# Altium PCB NG2092.PcbDoc (part 2 of 5) (continued)
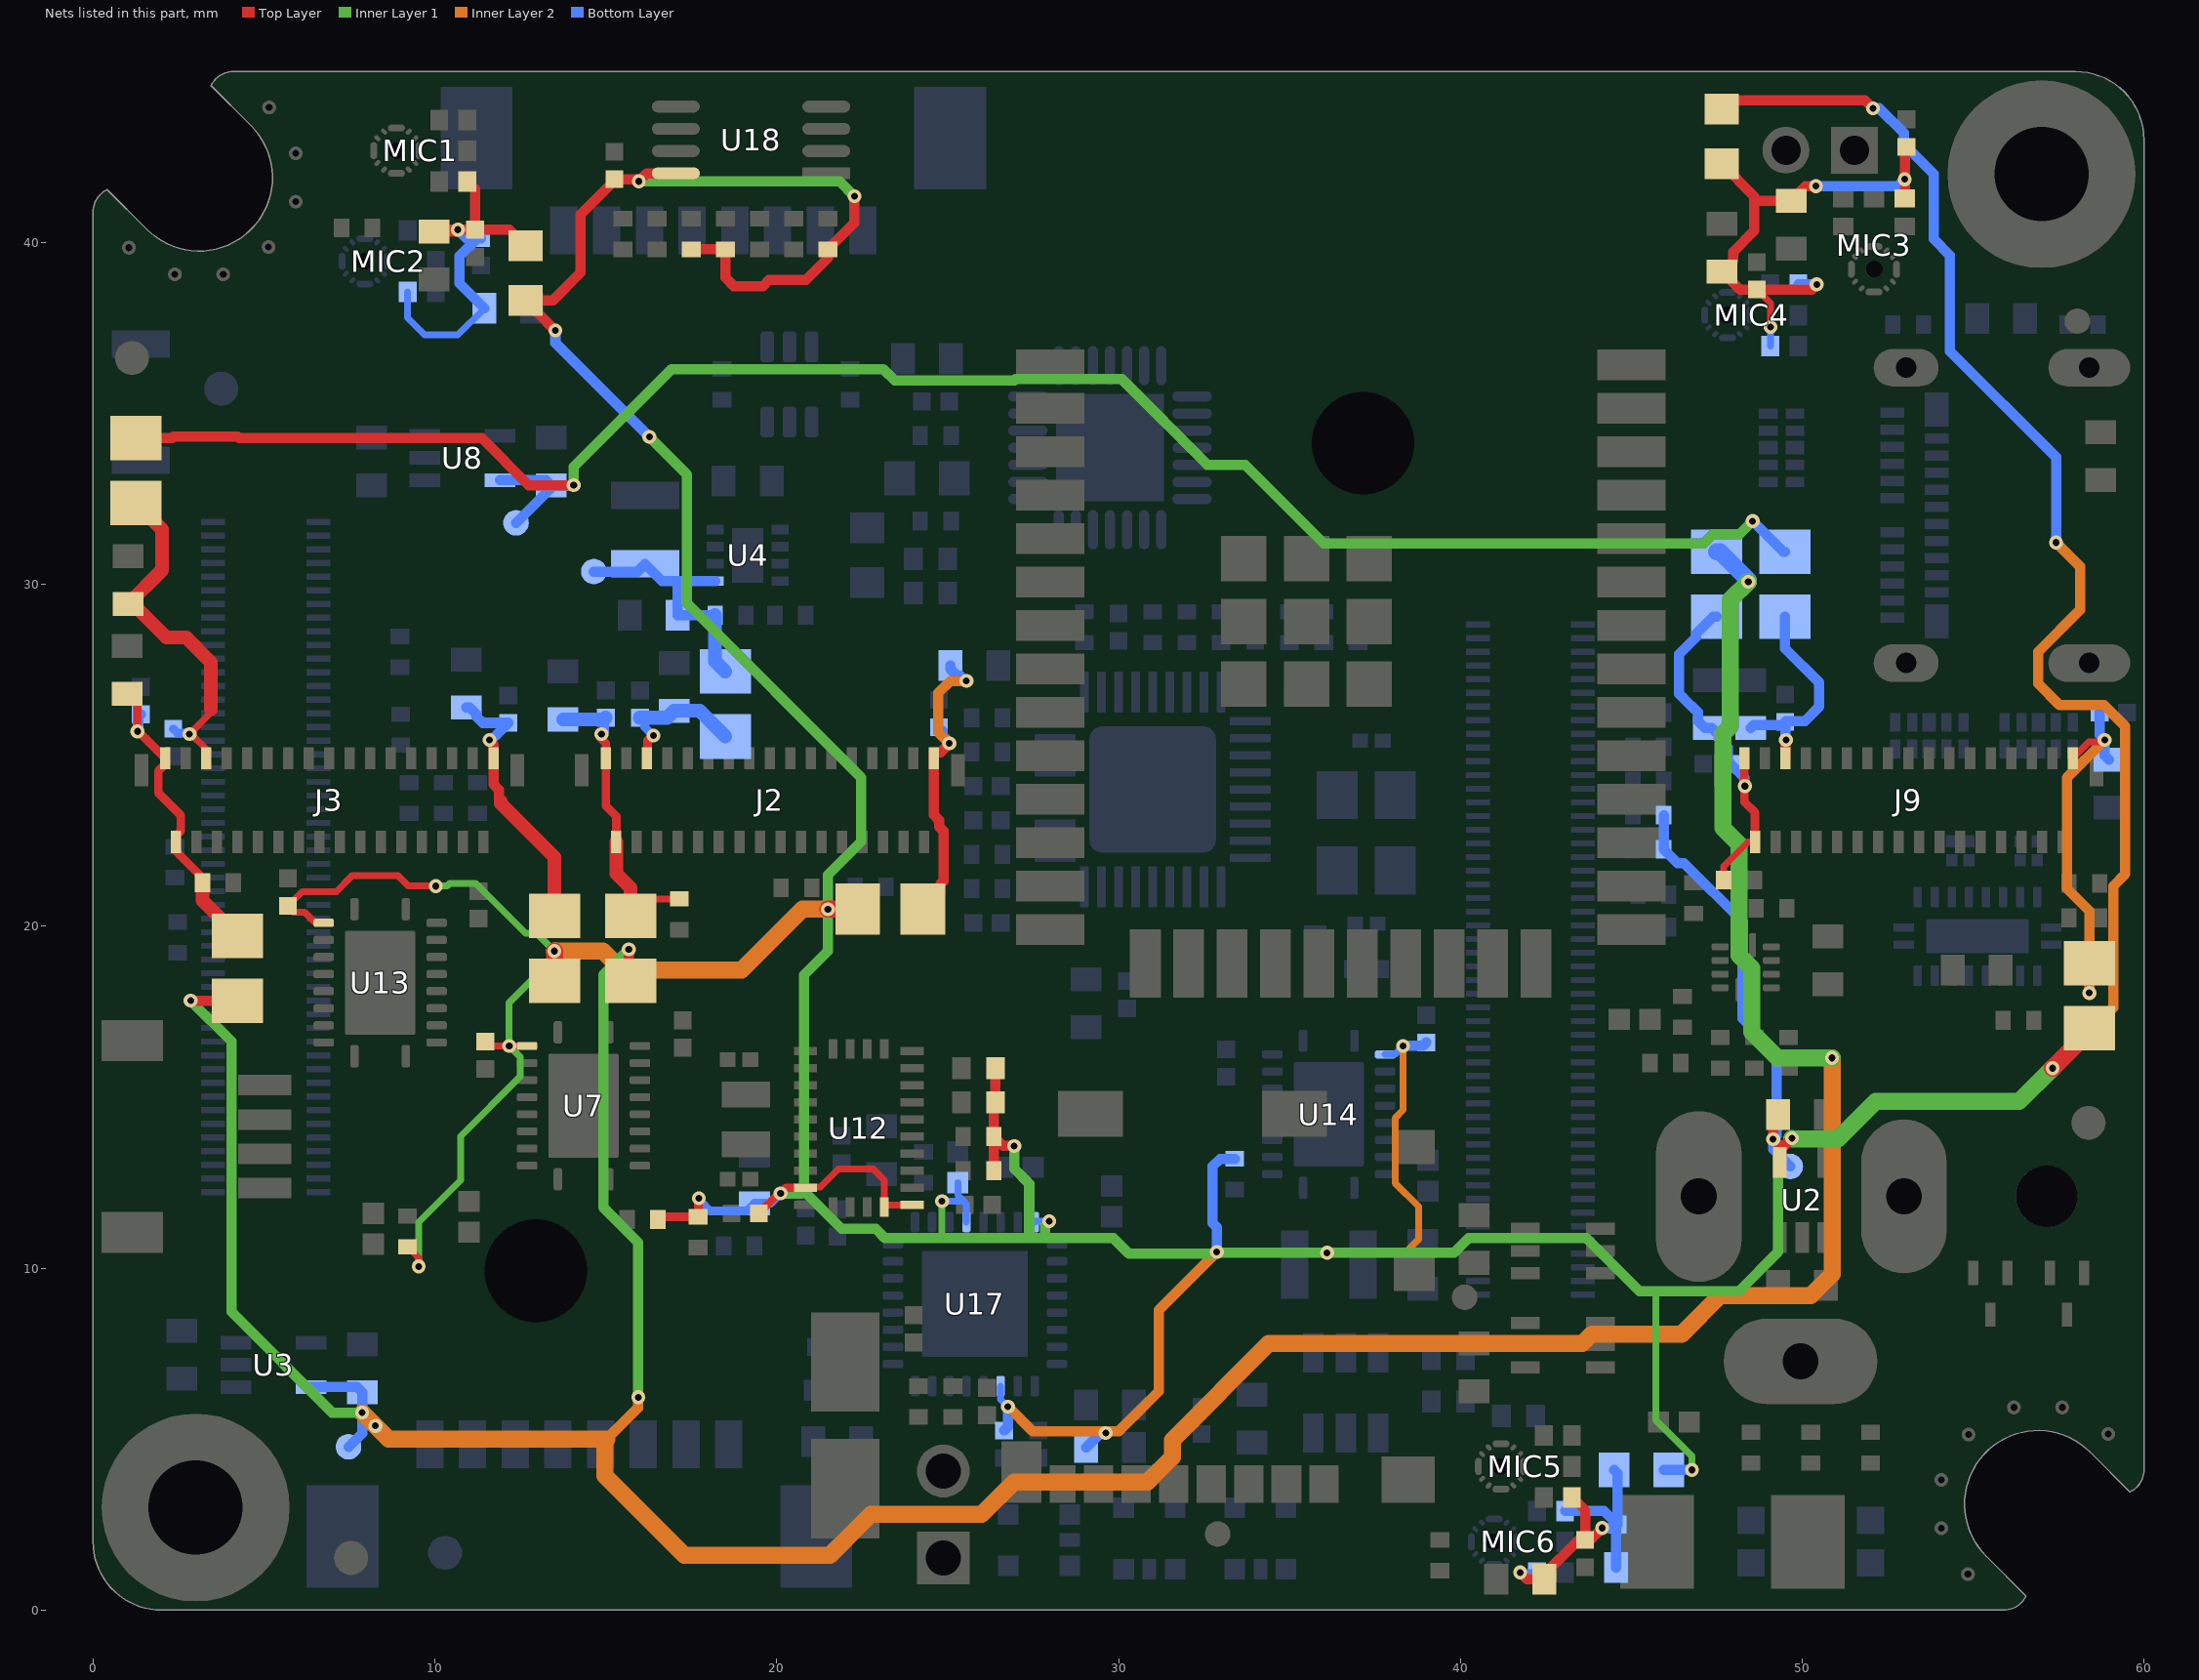
[diagram p6: the nets of this part, all layers, seen from the top]
## Part data (continued)
D5 D9: "TVS DIODE 3V3 8V 5TSSOP", Manufacturer 1=Nexperia, Supplier Part Number 1=1727-3827-2-ND, Category="ESD and Circuit Protection ICs", ComponentLink1Description=https://www.mouser.com/ds/2/302/PESDXL5UF_V_Y-63173.pdf?src-supplier=Mouser, ComponentLink1URL=https://www.mouser.com/ds/2/302/PESDXL5UF_V_Y-63173.pdf?src-supplier=Mouser, Manufacturer Part Number 1=PESD3V3L4UG,115, Supplier 1=Digi-Key
D6 D7 D8: "TVS DIODE 5.5V 8V 10SON 8V Clamp 1A (8/20µs) Ipp Tvs Diode Surface Mount 10-USON (2.5x1)", Breakdown Voltage=7V, Capacitance=0.8pF, Clamping Voltage=8V, Current Rating=5A, Manufacturer 1="Texas Instruments", Max Operating Temperature=85°C, Min Operating Temperature=-40°C, Package Quantity=1, Peak Pulse Current=1A, Peak Pulse Power=45W, Power Line Protection=Yes, Reverse Standoff Voltage=5.5V, Supplier Part Number 1=296-28063-1-ND, ComponentLink1Description=https://datasheet.ciiva.com/339/tpd4eusb30-339202.pdf?src-supplier=Digi-Key, ComponentLink1URL=https://datasheet.ciiva.com/339/tpd4eusb30-339202.pdf?src-supplier=Digi-Key, ComponentLink2Description=https://datasheet.ciiva.com/15134/getdatasheetpartid-299321-15134669.pdf?src-supplier=Verical, ComponentLink2URL=https://datasheet.ciiva.com/15134/getdatasheetpartid-299321-15134669.pdf?src-supplier=Verical, ComponentLink3Description=https://datasheet.ciiva.com/41659/1634000-41659268.pdf?src-supplier=Farnell, ComponentLink3URL=https://datasheet.ciiva.com/41659/1634000-41659268.pdf?src-supplier=Farnell, ComponentLink4Description=https://datasheet.ciiva.com/22621/1882087-22621482.pdf?src-supplier=Element14, ComponentLink4URL=https://datasheet.ciiva.com/22621/1882087-22621482.pdf?src-supplier=Element14, ComponentLink5Description=https://datasheet.ciiva.com/339/tpd4eusb30-339203.pdf?src-supplier=Digi-Key, ComponentLink5URL=https://datasheet.ciiva.com/339/tpd4eusb30-339203.pdf?src-supplier=Digi-Key, ComponentLink6Description=https://datasheet.ciiva.com/339/tpd4eusb30-339204.pdf?src-supplier=Digi-Key, ComponentLink6URL=https://datasheet.ciiva.com/339/tpd4eusb30-339204.pdf?src-supplier=Digi-Key, ComponentLink7Description=https://datasheet.ciiva.com/1504/1882087-1504249.pdf?src-supplier=Element14, ComponentLink7URL=https://datasheet.ciiva.com/1504/1882087-1504249.pdf?src-supplier=Element14, Data Rate=6Gbps, Depth=1mm, Direction=Unidirectional, ESD Protection=Yes, Height=0.5mm, Interface=USB, Lead Free="Lead Free", Length=2.5mm, Manufacturer Part Number 1=TPD4EUSB30DQAR, Min Breakdown Voltage=8V, Number of Bidirectional Channels=4, Number of Channels=4, Number of Pins=10, Packaging="Tape and Reel", Pricing 1="1=0.81000, 10=0.71400, 100=0.54720, 500=0.43260, 1000=0.34608 (USD)", Radiation Hardening=No, REACH SVHC="No SVHC", RoHS=Yes, Stock 1=82778, Supplier 1=Digi-Key, Supplier 2="TI store", Supplier 3=Mouser, Supplier Part Number 2=TPD4EUSB30DQAR, Supplier Part Number 3=595-TPD4EUSB30DQAR, Termination=SMD/SMT, Width=1.1mm, Working Voltage=5.5V
D10: "TVS DIODE 5V 12V 5TSSOP", Manufacturer 1=Nexperia, Supplier Part Number 1=771-PESD5V0L4UG-T/R, Category="ESD and Circuit Protection ICs", ComponentLink1Description=https://www.mouser.com/ds/2/302/PESDXL5UF_V_Y-63173.pdf?src-supplier=Mouser, ComponentLink1URL=https://www.mouser.com/ds/2/302/PESDXL5UF_V_Y-63173.pdf?src-supplier=Mouser, Manufacturer Part Number 1=PESD5V0L4UG,115, Supplier 1=Mouser
FB1 FB2 FB3 FB4 FB5 FB6 FB7 FB8 FB9: library part 2508056017Y2, "FERRITE BEAD, 0.1OHM, 2A, 0805, 600R/100MHz", Case Code (Imperial)=0805, Case Code (Metric)=2012, Current Rating=2A, DC Resistance (DCR)=100mR, Frequency=100MHz, Manufacturer 1=Fair-Rite, Max Operating Temperature=125°C, Min Operating Temperature=-55°C, Package Quantity=4000, Resistance=350mR, Supplier Part Number 1=1934-1487-1-ND, Tolerance=25%, Case/Package=0805, ComponentLink1Description=https://datasheet.ciiva.com/3854/3802508056017y2-3854245.pdf?src-supplier=Arrow, ComponentLink1URL=https://datasheet.ciiva.com/3854/3802508056017y2-3854245.pdf?src-supplier=Arrow, ComponentLink2Description=https://datasheet.ciiva.com/22735/652149-22735047.pdf?src-supplier=Element14, ComponentLink2URL=https://datasheet.ciiva.com/22735/652149-22735047.pdf?src-supplier=Element14, ComponentLink3Description=https://datasheet.ciiva.com/1127/26143-1127514.pdf?src-supplier=Farnell, ComponentLink3URL=https://datasheet.ciiva.com/1127/26143-1127514.pdf?src-supplier=Farnell, ComponentLink4Description=https://datasheet.ciiva.com/18090/getdatasheetpartid-212640-18090187.pdf?src-supplier=Verical, ComponentLink4URL=https://datasheet.ciiva.com/18090/getdatasheetpartid-212640-18090187.pdf?src-supplier=Verical, ComponentLink5Description=https://datasheet.ciiva.com/7620/26143-7620140.pdf?src-supplier=Element14, ComponentLink5URL=https://datasheet.ciiva.com/7620/26143-7620140.pdf?src-supplier=Element14, DC Current=2A, Depth=1.25mm, Height=0.9mm, Impedance=600R, Length=2mm, Manufacturer Part Number 1=2508056017Y2, Max DC Current=2A, Military Standard=Not, Number of Pins=2, Packaging="Tape and Reel", Pricing 1="1=0.10000, 10=0.07900, 25=0.07120, 50=0.05240, 100=0.04520, 250=0.03568, 500=0.03014, 1000=0.02538 (USD)", Radiation Hardening=No, REACH SVHC="No SVHC", RoHS=Yes, Stock 1=100491, Supplier 1=Digi-Key, Termination=SMD/SMT, Test Frequency=100MHz, Width=1.25mm
FID1 FID2 FID3 FID4 FID5 FID6: library part FIDUCIAL, "Fiducial with various available footprints"
J1: library part 104031-0811, "CONN MICRO SD CARD PUSH-PULL R/A", Manufacturer 1=Molex, Supplier Part Number 1=WM6357CT-ND, Manufacturer Part Number 1=104031-0811, Pricing 1="1=2.02000, 10=1.82900, 25=1.71680, 50=1.64220, 100=1.56760, 250=1.41828, 500=1.30630, 1000=1.11969 (USD)", RoHS=Yes, Stock 1=19400, Supplier 1=Digi-Key, Supplier 2=Newark, Supplier 3=Mouser, Supplier Part Number 2=99R5410, Supplier Part Number 3=538-104031-0811
J2: library part AC_PY004-IMX378_CON, "FFC/FPC Connector, 33 Contact(s), 1 Row(s), Female, Right Angle, Surface Mount Terminal", Manufacturer 1=Hirose, Supplier Part Number 1=H125800CT-ND, Category="FFC / FPC", ComponentLink1Description=https://datasheet.ciiva.com:443/pdfs/VipMasterIC/IC/HIRO/HIRO-S-A0007913874/HIRO-S-A0008593114-1.pdf?src-supplier=IHS+Markit, ComponentLink1URL=https://datasheet.ciiva.com:443/pdfs/VipMasterIC/IC/HIRO/HIRO-S-A0007913874/HIRO-S-A0008593114-1.pdf?src-supplier=IHS+Markit, ComponentLink2Description=https://www.hirose.com/product/en/download_file/key_name/FH26/category/Catalog/doc_file_id/49355/?file_category_id=4&item_id=298&is_series=1&src-supplier=Digi-Key, ComponentLink2URL=https://www.hirose.com/product/en/download_file/key_name/FH26/category/Catalog/doc_file_id/49355/?file_category_id=4&item_id=298&is_series=1&src-supplier=Digi-Key, ComponentLink3Description=https://www.hirose.com/product/download/?distributor=digikey&amp;type=2d&amp;lang=en&amp;num=FH26W-13S-0.3SHW(60)&src-supplier=Digi-Key, ComponentLink3URL=https://www.hirose.com/product/download/?distributor=digikey&amp;type=2d&amp;lang=en&amp;num=FH26W-13S-0.3SHW(60)&src-supplier=Digi-Key, Manufacturer Part Number 1=FH26W-33S-0.3SHW(60), Pricing 1="1=1,78000, 10=1,61700, 25=1,51800, 50=1,45200, 100=1,38600, 250=1,25400, 500=1,15500, 1000=0,99000, 2500=0,92400 (USD)", RoHS=Yes, Stock 1=627, Supplier 1=Digi-Key
J3 J9: library part AC_PY003-OV9282_CON, "FFC/FPC Connector, 33 Contact(s), 1 Row(s), Female, Right Angle, Surface Mount Terminal", Manufacturer 1=Hirose, Supplier Part Number 1=H125800CT-ND, Category="FFC / FPC", ComponentLink1Description=https://datasheet.ciiva.com:443/pdfs/VipMasterIC/IC/HIRO/HIRO-S-A0007913874/HIRO-S-A0008593114-1.pdf?src-supplier=IHS+Markit, ComponentLink1URL=https://datasheet.ciiva.com:443/pdfs/VipMasterIC/IC/HIRO/HIRO-S-A0007913874/HIRO-S-A0008593114-1.pdf?src-supplier=IHS+Markit, ComponentLink2Description=https://www.hirose.com/product/en/download_file/key_name/FH26/category/Catalog/doc_file_id/49355/?file_category_id=4&item_id=298&is_series=1&src-supplier=Digi-Key, ComponentLink2URL=https://www.hirose.com/product/en/download_file/key_name/FH26/category/Catalog/doc_file_id/49355/?file_category_id=4&item_id=298&is_series=1&src-supplier=Digi-Key, ComponentLink3Description=https://www.hirose.com/product/download/?distributor=digikey&amp;type=2d&amp;lang=en&amp;num=FH26W-13S-0.3SHW(60)&src-supplier=Digi-Key, ComponentLink3URL=https://www.hirose.com/product/download/?distributor=digikey&amp;type=2d&amp;lang=en&amp;num=FH26W-13S-0.3SHW(60)&src-supplier=Digi-Key, Manufacturer Part Number 1=FH26W-33S-0.3SHW(60), Pricing 1="1=1,78000, 10=1,61700, 25=1,51800, 50=1,45200, 100=1,38600, 250=1,25400, 500=1,15500, 1000=0,99000, 2500=0,92400 (USD)", RoHS=Yes, Stock 1=627, Supplier 1=Digi-Key
J4: "CONN HEADER VERT 2POS 2.54MM", Color=Black, Current Rating=3A, Flammability Rating="UL94 V-0", Insulation Resistance=5GR, Manufacturer 1="Amphenol FCI", Max Operating Temperature=125°C, Max Voltage Rating (AC)=1.5kV, Min Operating Temperature=-65°C, Package Quantity=100, Supplier Part Number 1=609-3500-ND, ComponentLink1Description=https://datasheet.ciiva.com/5149/68000-274228-5149165.pdf?src-supplier=Mouser, ComponentLink1URL=https://datasheet.ciiva.com/5149/68000-274228-5149165.pdf?src-supplier=Mouser, ComponentLink2Description=https://datasheet.ciiva.com/722/68000-722084.pdf?src-supplier=Digi-Key, ComponentLink2URL=https://datasheet.ciiva.com/722/68000-722084.pdf?src-supplier=Digi-Key, ComponentLink3Description=https://datasheet.ciiva.com/16726/68000-16726309.pdf?src-supplier=Avnet+Europe, ComponentLink3URL=https://datasheet.ciiva.com/16726/68000-16726309.pdf?src-supplier=Avnet+Europe, ComponentLink4Description=https://datasheet.ciiva.com/10149/68000-10149324.pdf?src-supplier=Avnet, ComponentLink4URL=https://datasheet.ciiva.com/10149/68000-10149324.pdf?src-supplier=Avnet, Connector Type="Male Pin", Contact Gender=Male, Contact Material=Bronze, Contact Mating Length=0.23inch, Contact Plating=Gold,GXT, Contact Post Length=2.41mm, Depth=2.41mm, Gender=Male, Housing Color=Black, Housing Material=Thermoplastic, Lead Free="Lead Free", Length=5.08mm, Manufacturer Part Number 1=68000-102HLF, Mount="Through Hole", Number of Contacts=2, Number of Positions=2, Number of Rows=1, Orientation=Straight, Packaging=Bulk, Pitch=2.54mm, Pricing 1="1=0.20000, 10=0.19000, 100=0.13180, 500=0.11154, 1000=0.09126, 5000=0.08112, 10000=0.07352 (USD)", Radiation Hardening=No, RoHS=Yes, Stock 1=23525, Supplier 1=Digi-Key, Termination=Solder, Voltage Rating=1.5kV, Voltage Rating (DC)=1.5kV
J5 J6: library part 53398-0871, "CONN HEADER VERT 8POS 1.25MM  Connector Header SMD 8 position 0.049\" (1.25mm)", Contact Resistance=20mR, Dielectric Withstanding Voltage (AC)=250V, Flammability Rating="UL94 V-0", Insulation Color=Natural, Insulation Resistance=100MR, Manufacturer 1=Molex, Max Operating Temperature=85°C, Min Operating Temperature=-40°C, Rated Current (Signal)=1A, Supplier Part Number 1=WM7612CT-ND, Board Mounting Option="SOLDER HOLDING POSTS", Body Breadth=0.146inch, Body Depth=0.185inch, Body Length=0.581inch, Body/Shell Style=RECEPTACLE, Category="Headers and Wire Housings", ComponentLink1Description=https://datasheet.ciiva.com:443/pdfs/VipMasterIC/IC/MOLE/MOLE-S-A0005942615/MOLE-S-A0005942615-1.pdf?src-supplier=IHS+Markit, ComponentLink1URL=https://datasheet.ciiva.com:443/pdfs/VipMasterIC/IC/MOLE/MOLE-S-A0005942615/MOLE-S-A0005942615-1.pdf?src-supplier=IHS+Markit, ComponentLink2Description=https://datasheet.ciiva.com/5149/0533980871-pcb-headers-146617-5149937.pdf?src-supplier=Mouser, ComponentLink2URL=https://datasheet.ciiva.com/5149/0533980871-pcb-headers-146617-5149937.pdf?src-supplier=Mouser, ComponentLink3Description=https://datasheet.ciiva.com/11748/0900766b80ab946a-11748897.pdf?src-supplier=RSComponents, ComponentLink3URL=https://datasheet.ciiva.com/11748/0900766b80ab946a-11748897.pdf?src-supplier=RSComponents, ComponentLink4Description=https://datasheet.ciiva.com/36525/1302220-36525970.pdf?src-supplier=Jameco, ComponentLink4URL=https://datasheet.ciiva.com/36525/1302220-36525970.pdf?src-supplier=Jameco, ComponentLink5Description=https://datasheet.ciiva.com/6083/1632066-6083006.pdf?src-supplier=Farnell, ComponentLink5URL=https://datasheet.ciiva.com/6083/1632066-6083006.pdf?src-supplier=Farnell, ComponentLink6Description=https://datasheet.ciiva.com/7683/1867383-7683797.pdf?src-supplier=Element14, ComponentLink6URL=https://datasheet.ciiva.com/7683/1867383-7683797.pdf?src-supplier=Element14, ComponentLink7Description=https://datasheet.ciiva.com/14156/gf116833-116846-e-14156249.pdf?src-supplier=Distrelec, ComponentLink7URL=https://datasheet.ciiva.com/14156/gf116833-116846-e-14156249.pdf?src-supplier=Distrelec, ComponentLink8Description=https://datasheet.ciiva.com/7683/1632066-7683911.pdf?src-supplier=Element14, ComponentLink8URL=https://datasheet.ciiva.com/7683/1632066-7683911.pdf?src-supplier=Element14, ComponentLink9Description=https://datasheet.ciiva.com/9468/0533980871-pcb-headers-9468298.pdf?src-supplier=Avnet, ComponentLink9URL=https://datasheet.ciiva.com/9468/0533980871-pcb-headers-9468298.pdf?src-supplier=Avnet, ComponentLink10Description=https://datasheet.ciiva.com/30196/226800533980871-pcb-headers-30196122.pdf?src-supplier=Onlinecomponents.com, ComponentLink10URL=https://datasheet.ciiva.com/30196/226800533980871-pcb-headers-30196122.pdf?src-supplier=Onlinecomponents.com, Connector Type="BOARD CONNECTOR", Contact Finish - Mating="MATTE TIN (39) OVER NICKEL", Contact Finish - Termination="Matte Tin (Sn) - with Nickel (Ni) barrier", Contact Gender=Male, Contact Material=Bronze, Contact Pattern=RECTANGULAR, Contact Style="Blade Pin", DIN Conformance=No, Durability=30Cycles, Filter Feature=No, IEC Conformance=No, Insulation Material=Nylon, JESD-609 Code=e3, Manufacturer Part Number 1=53398-0871, Mating Contact Pitch=0.049inch, Mating Information="MULTIPLE MATING PARTS AVAILABLE", MIL Conformance=No, Mixed Contacts=No, Mount=Board, Mounting Option 1=LOCKING, Mounting Style=STRAIGHT, Number Of Connectors=1, Number of Contacts=8, Number Of PCB Rows=1, Number of Rows Loaded=1, Option="General Purpose", PCB Contact Pattern=RECTANGULAR, Plating Thickness=39uin, Polarization Key="POLARIZED HOUSING", Pricing 1="1=0,89000, 10=0,73600, 100=0,61320 (USD)", REACH SVHC=Yes, Reference Standard=UL, Reliability=COMMERCIAL, RoHS=Yes, RoHS Compliant=Yes, Stock 1=30113, Supplier 1=Digi-Key, Terminal Pitch=1.25mm, Termination=SMD/SMT
J7: library part PJ-050AH/NEB21R_COMBO, "CONN POWER PIN 2 POS RA PTH Barrel jack 2.1mm x 5.5mm combo footprint", Color=Black, Current Rating=5A, Flammability Rating="UL94 V-0", Insulation Resistance=100MR, Manufacturer 1=CUI, Manufacturer 2=Lumberg, Manufacturer Part Number 1=PJ-050AH, Manufacturer Part Number 2="NEB 21 R", Max Current Rating=3A, Max Operating Temperature=85°C, Max Voltage Rating (DC)=12V, Min Operating Temperature=-25°C, Package Quantity=500, Supplier Part Number 1=490-PJ-050AH, Voltage Rating=24V, ComponentLink1Description=http://www.mouser.com/ds/2/670/PJ-050AH-524150.pdf?src-supplier=Mouser, ComponentLink1URL=http://www.mouser.com/ds/2/670/PJ-050AH-524150.pdf?src-supplier=Mouser, ComponentLink2Description=https://www.cui.com/product/resource/digikeypdf/pj-050ah.pdf?src-supplier=Digi-Key, ComponentLink2URL=https://www.cui.com/product/resource/digikeypdf/pj-050ah.pdf?src-supplier=Digi-Key, ComponentLink3Description=http://datasheet.octopart.com/PJ-050AH-CUI-datasheet-15696426.pdf?src-supplier=CUI, ComponentLink3URL=http://datasheet.octopart.com/PJ-050AH-CUI-datasheet-15696426.pdf?src-supplier=CUI, ComponentLink4Description=http://datasheet.octopart.com/PJ-050AH-CUI-datasheet-62089837.pdf?src-supplier=CUI, ComponentLink4URL=http://datasheet.octopart.com/PJ-050AH-CUI-datasheet-62089837.pdf?src-supplier=CUI, ComponentLink5Description=http://datasheet.octopart.com/PJ-050AH-CUI-datasheet-65972796.pdf?src-supplier=CUI, ComponentLink5URL=http://datasheet.octopart.com/PJ-050AH-CUI-datasheet-65972796.pdf?src-supplier=CUI, ComponentLink6Description=http://datasheet.octopart.com/PJ-050AH-CUI-datasheet-103766550.pdf?src-supplier=CUI, ComponentLink6URL=http://datasheet.octopart.com/PJ-050AH-CUI-datasheet-103766550.pdf?src-supplier=CUI, ComponentLink7Description=http://datasheet.octopart.com/PJ-050AH-CUI-datasheet-103111417.pdf?src-supplier=Electro+Sonic, ComponentLink7URL=http://datasheet.octopart.com/PJ-050AH-CUI-datasheet-103111417.pdf?src-supplier=Electro+Sonic, ComponentLink8Description=http://datasheet.octopart.com/PJ-050AH-CUI-datasheet-34390405.pdf?src-supplier=Future+Electronics, ComponentLink8URL=http://datasheet.octopart.com/PJ-050AH-CUI-datasheet-34390405.pdf?src-supplier=Future+Electronics, ComponentLink9Description=http://datasheet.octopart.com/PJ-050AH-CUI-datasheet-62073522.pdf?src-supplier=Future+Electronics, ComponentLink9URL=http://datasheet.octopart.com/PJ-050AH-CUI-datasheet-62073522.pdf?src-supplier=Future+Electronics, ComponentLink10Description=http://datasheet.octopart.com/PJ-050AH-CUI-datasheet-102985732.pdf?src-supplier=Future+Electronics, ComponentLink10URL=http://datasheet.octopart.com/PJ-050AH-CUI-datasheet-102985732.pdf?src-supplier=Future+Electronics, ComponentLink11Description=https://datasheet.ciiva.com/11720/0900766b805694d6-11720273.pdf?src-supplier=RSComponents, ComponentLink11URL=https://datasheet.ciiva.com/11720/0900766b805694d6-11720273.pdf?src-supplier=RSComponents, ComponentLink12Description=https://datasheet.ciiva.com/1115/28897-1115898.pdf?src-supplier=Newark, ComponentLink12URL=https://datasheet.ciiva.com/1115/28897-1115898.pdf?src-supplier=Newark, ComponentLink13Description=https://datasheet.ciiva.com/8066/1700582-8066298.pdf?src-supplier=Element14, ComponentLink13URL=https://datasheet.ciiva.com/8066/1700582-8066298.pdf?src-supplier=Element14, ComponentLink14Description=https://datasheet.ciiva.com/29365/738882-da-01-ml-netzger-einbaukuppl-neb-21-r-de-en-fr-29365351.pdf?src-supplier=Conrad, ComponentLink14URL=https://datasheet.ciiva.com/29365/738882-da-01-ml-netzger-einbaukuppl-neb-21-r-de-en-fr-29365351.pdf?src-supplier=Conrad, ComponentLink15Description=http://datasheet.octopart.com/NEB-21-R-Lumberg-datasheet-15206778.pdf?src-supplier=Newark, ComponentLink15URL=http://datasheet.octopart.com/NEB-21-R-Lumberg-datasheet-15206778.pdf?src-supplier=Newark, ComponentLink16Description=http://datasheet.octopart.com/NEB-21-R-Lumberg-datasheet-103789672.pdf?src-supplier=Farnell, ComponentLink16URL=http://datasheet.octopart.com/NEB-21-R-Lumberg-datasheet-103789672.pdf?src-supplier=Farnell, ComponentLink17Description=http://datasheet.octopart.com/NEB-21-R-Lumberg-datasheet-136395310.pdf?src-supplier=Toby+Electronics, ComponentLink17URL=http://datasheet.octopart.com/NEB-21-R-Lumberg-datasheet-136395310.pdf?src-supplier=Toby+Electronics, Connector Type=Jack, Contact Gender=Male, Contact Material=Copper, Contact Plating=Nickel, Depth=14.5mm, Gender=Male, Housing Color=Black, Housing Material=Thermoplastic, Inside Diameter=6mm, Lead Free="Lead Free", Length=9mm, Mount="Through Hole", Number of Conductors=2, Number of Pins=2, Number of Ports=1, Number of Terminals=3, Orientation=Horizontal, Packaging=Bulk, Pricing 1="1=0.78000, 10=0.68800, 50=0.62100, 100=0.59400, 1000=0.43200, 10000=0.39100 (USD)", Pricing 2="1=0.86400, 25=0.82100, 50=0.78300, 100=0.72900, 250=0.68600 (USD)", REACH SVHC="No SVHC", Shielding=Unshielded, Stock 1=2665, Stock 2=56, Supplier 1=Mouser, Supplier 2=Newark, Supplier Part Number 2=97K6458, Termination=Solder, Voltage Rating (AC)=12V, Voltage Rating (DC)=12V
J8: "CONN HEADER VERT 2POS 2MM", Color=Natural, Contact Resistance=20mR, Current Rating=2A, Housing Color=White, Insulation Resistance=1MR, Manufacturer 1=JST, Max Operating Temperature=85°C, Max Voltage Rating (AC)=100V, Min Operating Temperature=-25°C, Supplier Part Number 1=455-1704-ND, ComponentLink1Description=https://datasheet.ciiva.com/6747/80560-6747392.pdf?src-supplier=Newark, ComponentLink1URL=https://datasheet.ciiva.com/6747/80560-6747392.pdf?src-supplier=Newark, ComponentLink2Description=https://datasheet.ciiva.com/11746/0900766b8082f551-11746676.pdf?src-supplier=RSComponents, ComponentLink2URL=https://datasheet.ciiva.com/11746/0900766b8082f551-11746676.pdf?src-supplier=RSComponents, ComponentLink3Description=https://datasheet.ciiva.com/8052/80560-8052022.pdf?src-supplier=Element14, ComponentLink3URL=https://datasheet.ciiva.com/8052/80560-8052022.pdf?src-supplier=Element14, ComponentLink4Description=https://datasheet.ciiva.com/712/eph-712442.pdf?src-supplier=Digi-Key, ComponentLink4URL=https://datasheet.ciiva.com/712/eph-712442.pdf?src-supplier=Digi-Key, ComponentLink5Description=https://datasheet.ciiva.com/16422/b2b-ph-k-slfsn-16422715.pdf?src-supplier=Future+Electronics, ComponentLink5URL=https://datasheet.ciiva.com/16422/b2b-ph-k-slfsn-16422715.pdf?src-supplier=Future+Electronics, Connector Type="Male Pin", Contact Material=Brass, Contact Mating Length=0.13inch, Contact Plating=Tin, Depth=4.5mm, Fastening Type=Detent, Gender=Male, Height=9.4mm, Housing Material=Polyamide, Lead Free="Lead Free", Lead Pitch=2mm, Length=5.9mm, Manufacturer Part Number 1=B2B-PH-K-S(LF)(SN), Max Current Rating=2A, Max Voltage Rating (DC)=100V, Mount="Through Hole", Number of Contacts=2, Number of Pins=2, Number of Poles=2, Number of Positions=2, Number of Rows=1, Orientation=Straight, Packaging=Bulk, Pitch=2mm, Pricing 1="1 = 0.170000, 10 = 0.162000, 100 = 0.100200, 500 = 0.082880, 1000 = 0.072520, 5000 = 0.062160, 10000 = 0.060440 (USD)", REACH SVHC="No SVHC", RoHS=Yes, Stock 1=216199, Supplier 1=Digi-Key, Termination=Solder, Voltage Rating=100V, Voltage Rating (AC)=100V, Width=4.5mm, Working Voltage=100V
J10: library part 105450-0101, "CONN RCP USB3.1 TYPEC 24P SMD RA", Case/Package=0101, Current Rating=5A, Flammability Rating="UL94 V-0", Insulation Color=Black, Manufacturer 1=Molex, Max Operating Temperature=85°C, Min Operating Temperature=-30°C, Supplier Part Number 1=WM12856CT-ND, ComponentLink1Description=http://www.farnell.com/datasheets/2673427.pdf?src-supplier=Farnell, ComponentLink1URL=http://www.farnell.com/datasheets/2673427.pdf?src-supplier=Farnell, ComponentLink2Description=http://www.farnell.com/datasheets/2801634.pdf?src-supplier=Farnell, ComponentLink2URL=http://www.farnell.com/datasheets/2801634.pdf?src-supplier=Farnell, ComponentLink3Description=http://www.farnell.com/datasheets/2672741.pdf?src-supplier=Newark, ComponentLink3URL=http://www.farnell.com/datasheets/2672741.pdf?src-supplier=Newark, ComponentLink4Description=https://www.molex.com/pdm_docs/sd/1054500101_sd.pdf?src-supplier=Digi-Key, ComponentLink4URL=https://www.molex.com/pdm_docs/sd/1054500101_sd.pdf?src-supplier=Digi-Key, ComponentLink5Description=https://www.molex.com/pdm_docs/ps/PS-105448-001.pdf?src-supplier=Digi-Key, ComponentLink5URL=https://www.molex.com/pdm_docs/ps/PS-105448-001.pdf?src-supplier=Digi-Key, ComponentLink6Description=http://www.farnell.com/datasheets/2015275.pdf?src-supplier=Element14, ComponentLink6URL=http://www.farnell.com/datasheets/2015275.pdf?src-supplier=Element14, ComponentLink7Description=http://www.literature.molex.com/SQLImages/kelmscott/Molex/PDF_Images/987651-4081.PDF?src-supplier=Avnet, ComponentLink7URL=http://www.literature.molex.com/SQLImages/kelmscott/Molex/PDF_Images/987651-4081.PDF?src-supplier=Avnet, ComponentLink8Description=http://www.literature.molex.com/SQLImages/kelmscott/Molex/PDF_Images/987651-4081.PDF?src-supplier=Avnet+Asia, ComponentLink8URL=http://www.literature.molex.com/SQLImages/kelmscott/Molex/PDF_Images/987651-4081.PDF?src-supplier=Avnet+Asia, Connector Type=USB, Contact Material="Copper Alloy", Contact Plating=Gold, Features=Shielded, Gender=Receptacle, Housing Material=Thermoplastic, Length=8.94mm, Manufacturer Part Number 1=105450-0101, Mating Cycles=10000, Mount="Surface Mount,Through Hole,Horizontal", Number of Contacts=24, Number of Pins=24, Number of Ports=1, Number of Terminals=24, Orientation="Right Angle", Packaging="Tape and Reel", Pitch=0.5mm, Pricing 1="1=2.15000, 10=1.94900, 25=1.82960, 50=1.75000, 100=1.67050, 250=1.51140, 500=1.39208 (USD)", REACH SVHC=Unknown, RoHS=Yes, Shielding=Shielded, Stock 1=13882, Supplier 1=Digi-Key, Termination=Solder, USB Standard="USB 3.1"
J11: library part SM04B-SRSS-TB(LF)(SN), "Connector Header, Side Entry, SR Series, 4 Position, 1.00mm, 50V, Surface Mount, Tin, Natural", Color=Natural, Contact Resistance=40mR, Housing Color=Beige, Manufacturer 1=JST, Max Current Rating=1A, Max Operating Temperature=85°C, Max Voltage Rating (AC)=50V, Min Operating Temperature=-25°C, Supplier Part Number 1=455-1804-1-ND, Category=Connectors, ComponentLink1Description=https://datasheet.ciiva.com/26894/getdatasheetpartid-499363-26894945.pdf?src-supplier=Verical, ComponentLink1URL=https://datasheet.ciiva.com/26894/getdatasheetpartid-499363-26894945.pdf?src-supplier=Verical, ComponentLink2Description=https://datasheet.ciiva.com/26894/getdatasheetpartid-640736-26894676.pdf?src-supplier=Verical, ComponentLink2URL=https://datasheet.ciiva.com/26894/getdatasheetpartid-640736-26894676.pdf?src-supplier=Verical, ComponentLink3Description=https://datasheet.ciiva.com/16487/jstsm04b-srss-tb-lf-sn-16487222.pdf?src-supplier=Future+Electronics, ComponentLink3URL=https://datasheet.ciiva.com/16487/jstsm04b-srss-tb-lf-sn-16487222.pdf?src-supplier=Future+Electronics, ComponentLink4Description=http://datasheet.octopart.com/SM04B-SRSS-TB%28LF%29%28SN%29-JST-datasheet-65849987.pdf?src-supplier=Newark, ComponentLink4URL=http://datasheet.octopart.com/SM04B-SRSS-TB%28LF%29%28SN%29-JST-datasheet-65849987.pdf?src-supplier=Newark, ComponentLink5Description=http://datasheet.octopart.com/SM04B-SRSS-TB%28LF%29%28SN%29-JST-datasheet-8330955.pdf?src-supplier=Upverter, ComponentLink5URL=http://datasheet.octopart.com/SM04B-SRSS-TB%28LF%29%28SN%29-JST-datasheet-8330955.pdf?src-supplier=Upverter, ComponentLink6Description=http://datasheet.octopart.com/SM04B-SRSS-TB%28LF%29%28SN%29-JST-datasheet-12489618.pdf?src-supplier=Upverter, ComponentLink6URL=http://datasheet.octopart.com/SM04B-SRSS-TB%28LF%29%28SN%29-JST-datasheet-12489618.pdf?src-supplier=Upverter, ComponentLink7Description=http://datasheet.octopart.com/SM04B-SRSS-TB%28LF%29%28SN%29-JST-datasheet-119911.pdf?src-supplier=Digi-Key, ComponentLink7URL=http://datasheet.octopart.com/SM04B-SRSS-TB%28LF%29%28SN%29-JST-datasheet-119911.pdf?src-supplier=Digi-Key, ComponentLink8Description=http://datasheet.octopart.com/SM04B-SRSS-TB%28LF%29%28SN%29-JST-datasheet-120967.pdf?src-supplier=Future+Electronics, ComponentLink8URL=http://datasheet.octopart.com/SM04B-SRSS-TB%28LF%29%28SN%29-JST-datasheet-120967.pdf?src-supplier=Future+Electronics, Connector Type="Male Pin", Contact Material="Copper Alloy", Contact Plating=Tin, Depth=4.95mm, Housing Material=Polyamide, Lead Free="Lead Free", Length=6mm, Manufacturer Part Number 1=SM04B-SRSS-TB(LF)(SN), Max Voltage Rating (DC)=50V, Mount="Surface Mount", Number of Contacts=4, Number of Positions=4, Number of Rows=1, Orientation="Right Angle", Packaging="Tape and Reel", Pitch=0.039inch, Pricing 1="1=0.61000, 10=0.56900, 100=0.43600, 500=0.37914, 1000=0.31279 (USD)", Stock 1=79203, Supplier 1=Digi-Key, Supplier 2=Digi-Key, Supplier 3=Newark, Supplier 4="Future Electronics", Supplier Part Number 2=455-1804-2-ND, Supplier Part Number 3=87R0314, Supplier Part Number 4=SM04B-SRSS-TB(LF)(SN)-CUTT, Termination=Solder
J12: library part DF40C-100DP-0.4V_BW2099_A, "CONN HDR 100POS 0.4MM SMD GOLD BW2099 SYMBOL", Manufacturer 1=Hirose, Manufacturer Part Number 1=DF40HC(3.0)-100DS-0.4V(51, Manufacturer Part Number 2=DF40HC(3.0)-100DS-0.4V(58), Max Operating Temperature=85°C, Min Operating Temperature=-35°C, Package Quantity=1000, pin_current=0.3A, Supplier Part Number 1=798-DF40HC30100DS451, Voltage Rating=30V, ComponentLink1Description=https://datasheet.ciiva.com/46636/ed-df40-20140305-46636517.pdf?src-supplier=Digi-Key, ComponentLink1URL=https://datasheet.ciiva.com/46636/ed-df40-20140305-46636517.pdf?src-supplier=Digi-Key, ComponentLink2Description=https://datasheet.ciiva.com/18562/ed-df40-20140305-18562189.pdf?src-supplier=Digi-Key, ComponentLink2URL=https://datasheet.ciiva.com/18562/ed-df40-20140305-18562189.pdf?src-supplier=Digi-Key, ComponentLink3Description=https://datasheet.ciiva.com/13559/ed-df40-20140305-13559540.pdf?src-supplier=Mouser, ComponentLink3URL=https://datasheet.ciiva.com/13559/ed-df40-20140305-13559540.pdf?src-supplier=Mouser, ComponentLink4Description=https://datasheet.ciiva.com/18562/ed-df40-20140305-18562462.pdf?src-supplier=Digi-Key, ComponentLink4URL=https://datasheet.ciiva.com/18562/ed-df40-20140305-18562462.pdf?src-supplier=Digi-Key, Connector Type=Receptacle, Contact Plating=Gold, Lead Free="Lead Free", Manufacturer 2=Hirose, mfg_pn=DF40C-100DP-0.4V, Mount="Surface Mount", Number of Positions=100, Number of Rows=2, Orientation=Straight, Packaging="Tape and Reel", pin_pitch=0.4mm, Pitch=0.4mm, Pricing 1="1=2.54000, 10=2.26000, 25=2.07000, 50=2.07000, 100=1.98000, 250=1.79000, 500=1.65000, 1000=1.41000, 3000=1.32000, 6000=1.23000, 10000=1.23000 (USD)", Radiation Hardening=No, REACH SVHC=Unknown, RoHS=Yes, Stack Height=1.5mm, Stock 1=2172, Supplier 1=Digi-Key, Supplier 2=Mouser, Supplier Part Number 2=798-DF40HC30100DS458, Termination=SMD/SMT
J13: library part DF40C-100DP-0.4V_BW2099_B, "CONN HDR 100POS 0.4MM SMD GOLD BW2099 SYMBOL", Manufacturer 1=Hirose, Manufacturer Part Number 1=DF40HC(3.0)-100DS-0.4V(51, Manufacturer Part Number 2=DF40HC(3.0)-100DS-0.4V(58), Max Operating Temperature=85°C, Min Operating Temperature=-35°C, Package Quantity=1000, pin_current=0.3A, Supplier Part Number 1=798-DF40HC30100DS451, Voltage Rating=30V, ComponentLink1Description=https://datasheet.ciiva.com/46636/ed-df40-20140305-46636517.pdf?src-supplier=Digi-Key, ComponentLink1URL=https://datasheet.ciiva.com/46636/ed-df40-20140305-46636517.pdf?src-supplier=Digi-Key, ComponentLink2Description=https://datasheet.ciiva.com/18562/ed-df40-20140305-18562189.pdf?src-supplier=Digi-Key, ComponentLink2URL=https://datasheet.ciiva.com/18562/ed-df40-20140305-18562189.pdf?src-supplier=Digi-Key, ComponentLink3Description=https://datasheet.ciiva.com/13559/ed-df40-20140305-13559540.pdf?src-supplier=Mouser, ComponentLink3URL=https://datasheet.ciiva.com/13559/ed-df40-20140305-13559540.pdf?src-supplier=Mouser, ComponentLink4Description=https://datasheet.ciiva.com/18562/ed-df40-20140305-18562462.pdf?src-supplier=Digi-Key, ComponentLink4URL=https://datasheet.ciiva.com/18562/ed-df40-20140305-18562462.pdf?src-supplier=Digi-Key, Connector Type=Receptacle, Contact Plating=Gold, Lead Free="Lead Free", Manufacturer 2=Hirose, mfg_pn=DF40C-100DP-0.4V, Mount="Surface Mount", Number of Positions=100, Number of Rows=2, Orientation=Straight, Packaging="Tape and Reel", pin_pitch=0.4mm, Pitch=0.4mm, Pricing 1="1=2.54000, 10=2.26000, 25=2.07000, 50=2.07000, 100=1.98000, 250=1.79000, 500=1.65000, 1000=1.41000, 3000=1.32000, 6000=1.23000, 10000=1.23000 (USD)", Radiation Hardening=No, REACH SVHC=Unknown, RoHS=Yes, Stack Height=1.5mm, Stock 1=2172, Supplier 1=Digi-Key, Supplier 2=Mouser, Supplier Part Number 2=798-DF40HC30100DS458, Termination=SMD/SMT
L1 L2: library part DFE252012P-1R0M=P2, "FIXED IND 1UH 3.2A 42 MOHM SMD", Case Code (Imperial)=1008, Case Code (Metric)=2520, Current Rating=4.3A, DC Resistance (DCR)=42mR, Inductance=1uH, Manufacturer 1=Murata, Manufacturer Part Number 1=DFE252012P-1R0M=P2, Max DC Current=3.2A, Max Operating Temperature=125°C, Min Operating Temperature=-40°C, Supplier Part Number 1=490-10647-1-ND, Test Frequency=1MHz, Tolerance=20%, Case/Package=1008, ComponentLink1Description=http://www.farnell.com/datasheets/2550134.pdf?src-supplier=Farnell, ComponentLink1URL=http://www.farnell.com/datasheets/2550134.pdf?src-supplier=Farnell, ComponentLink2Description=https://www.murata.com/~/media/webrenewal/products/inductor/chip/tokoproducts/wirewoundmetalalloychiptype/m_dfe252012p.ashx?src-supplier=Digi-Key, ComponentLink2URL=https://www.murata.com/~/media/webrenewal/products/inductor/chip/tokoproducts/wirewoundmetalalloychiptype/m_dfe252012p.ashx?src-supplier=Digi-Key, ComponentLink3Description=http://www.murata.com/~/media/webrenewal/products/inductor/chip/tokoproducts/wirewoundmetalalloychiptype/m_dfe252012p.ashx?src-supplier=Digi-Key, ComponentLink3URL=http://www.murata.com/~/media/webrenewal/products/inductor/chip/tokoproducts/wirewoundmetalalloychiptype/m_dfe252012p.ashx?src-supplier=Digi-Key, ComponentLink4Description=http://www.toko.co.jp/products/pdf/inductors/dfe252012p.pdf?src-supplier=Avnet, ComponentLink4URL=http://www.toko.co.jp/products/pdf/inductors/dfe252012p.pdf?src-supplier=Avnet, Composition=Wirewound, Core Material=Ferrite, Depth=2mm, Height - Seated (Max)=0.039inch, Length=0.098inch, Manufacturer 2=Murata, Manufacturer 3=Murata, Manufacturer 4=Murata, Manufacturer Part Number 2=DFE252012P-1R0M=P2, Manufacturer Part Number 3=DFE252012P-1R0M=P2, Manufacturer Part Number 4=DFE252012P-1R0M=P2, Mount="Surface Mount", Packaging="Tape and Reel", Pricing 1="1=0.43000, 10=0.37800, 100=0.27030, 500=0.22702, 1000=0.18377 (USD)", Pricing 2="1=0.43000, 10=0.37800, 100=0.27030, 500=0.22702, 1000=0.18377 (USD)", Pricing 3="1=0.43000, 10=0.37900, 50=0.37900, 100=0.27000, 1000=0.18400, 10000=0.14600 (USD)", Pricing 4="1=0.64000, 10=0.56500, 100=0.40500, 500=0.34000, 1000=0.27500 (SGD)", RoHS=Yes, Shielding=Shielded, Stock 1=2560, Stock 2=95, Stock 3=667, Stock 4=41, Supplier 1=Digi-Key, Supplier 2=Digi-Key, Supplier 3=Mouser, Supplier 4=Element14, Supplier Part Number 2=490-10647-6-ND, Supplier Part Number 3=81-DFE252012P-1R0MP2, Supplier Part Number 4=2530071, Width=0.079inch
L10 L11 L12: library part BLM18PG121SN1D, "FERRITE BEAD 120 OHM 0603 1LN", Case Code (Imperial)=0603, Case Code (Metric)=1608, Current Rating=2A, DC Resistance (DCR)=50mR, Frequency=100MHz, Manufacturer 1=Murata, Max Operating Temperature=125°C, Min Operating Temperature=-55°C, Package Quantity=1, Supplier Part Number 1=490-1037-1-ND, Tolerance=25%, Case/Package=0603, ComponentLink1Description=https://datasheet.ciiva.com/5709/1740433-5709171.pdf?src-supplier=Farnell, ComponentLink1URL=https://datasheet.ciiva.com/5709/1740433-5709171.pdf?src-supplier=Farnell, ComponentLink2Description=https://datasheet.ciiva.com/3854/5emiapbde-1-3854039.pdf?src-supplier=Arrow, ComponentLink2URL=https://datasheet.ciiva.com/3854/5emiapbde-1-3854039.pdf?src-supplier=Arrow, ComponentLink3Description=https://datasheet.ciiva.com/11799/0900766b81275ca5-11799546.pdf?src-supplier=RSComponents, ComponentLink3URL=https://datasheet.ciiva.com/11799/0900766b81275ca5-11799546.pdf?src-supplier=RSComponents, ComponentLink4Description=https://datasheet.ciiva.com/19454/1845013-19454715.pdf?src-supplier=Jameco, ComponentLink4URL=https://datasheet.ciiva.com/19454/1845013-19454715.pdf?src-supplier=Jameco, ComponentLink5Description=https://datasheet.ciiva.com/29347/442365-da-01-en-chip-drossel-0603-120r-2000ma-1-6x0-8mm-29347911.pdf?src-supplier=Conrad, ComponentLink5URL=https://datasheet.ciiva.com/29347/442365-da-01-en-chip-drossel-0603-120r-2000ma-1-6x0-8mm-29347911.pdf?src-supplier=Conrad, ComponentLink6Description=https://datasheet.ciiva.com/3081/l0110s0100blm18p-3081632.pdf?src-supplier=Avnet, ComponentLink6URL=https://datasheet.ciiva.com/3081/l0110s0100blm18p-3081632.pdf?src-supplier=Avnet, ComponentLink7Description=https://datasheet.ciiva.com/8021/1740433-8021493.pdf?src-supplier=Element14, ComponentLink7URL=https://datasheet.ciiva.com/8021/1740433-8021493.pdf?src-supplier=Element14, ComponentLink8Description=https://datasheet.ciiva.com/6212/l0110s0100blm18p-6212502.pdf?src-supplier=Digi-Key, ComponentLink8URL=https://datasheet.ciiva.com/6212/l0110s0100blm18p-6212502.pdf?src-supplier=Digi-Key, ComponentLink9Description=https://datasheet.ciiva.com/8021/1740433-8021494.pdf?src-supplier=Element14, ComponentLink9URL=https://datasheet.ciiva.com/8021/1740433-8021494.pdf?src-supplier=Element14, ComponentLink10Description=https://datasheet.ciiva.com/6212/l0110s0100blm18p-6212504.pdf?src-supplier=Digi-Key, ComponentLink10URL=https://datasheet.ciiva.com/6212/l0110s0100blm18p-6212504.pdf?src-supplier=Digi-Key, ComponentLink11Description=https://datasheet.ciiva.com/14122/blm-series-eng-tds-14122905.pdf?src-supplier=Distrelec, ComponentLink11URL=https://datasheet.ciiva.com/14122/blm-series-eng-tds-14122905.pdf?src-supplier=Distrelec, ComponentLink12Description=https://datasheet.ciiva.com/25903/l0110s0100blm18p-25903483.pdf?src-supplier=Avnet+Europe, ComponentLink12URL=https://datasheet.ciiva.com/25903/l0110s0100blm18p-25903483.pdf?src-supplier=Avnet+Europe, ComponentLink13Description=https://datasheet.ciiva.com/41449/001172297-da-01-en-drossel-0603-120r-1-6x0-8mm-4000st-41449659.pdf?src-supplier=Conrad, ComponentLink13URL=https://datasheet.ciiva.com/41449/001172297-da-01-en-drossel-0603-120r-1-6x0-8mm-4000st-41449659.pdf?src-supplier=Conrad, Core Material=Ferrite, DC Current=2A, Depth=0.8mm, Height=0.8mm, Impedance=120R, Lead Free="Lead Free", Length=1.6mm, Manufacturer Part Number 1=BLM18PG121SN1D, Material=Steel,Ferrite, Max Current Rating=2A, Max DC Current=2A, Number of Circuits=1, Number of Lines=1, Number of Pins=2, Packaging="Tape and Reel", Pricing 1="1=0.10000, 10=0.07600, 25=0.06840, 50=0.05000, 100=0.04330, 250=0.03416, 500=0.02884, 1000=0.02429 (USD)", Radiation Hardening=No, REACH SVHC="No SVHC", RoHS=Yes, Shielding=Unshielded, Stock 1=377829, Supplier 1=Digi-Key, Supplier 2=Mouser, Supplier 3=Newark, Supplier Part Number 2=81-BLM18PG121SN1D, Supplier Part Number 3=73M9109, Termination=SMD/SMT, Test Frequency=100MHz, Width=0.8mm